# KiCad board bumwings_v001.kicad_pcb
title: BumWings_001; date: 2022-10-12; rev: v0.5; company: tubby.twins a.k.a. mschnoor
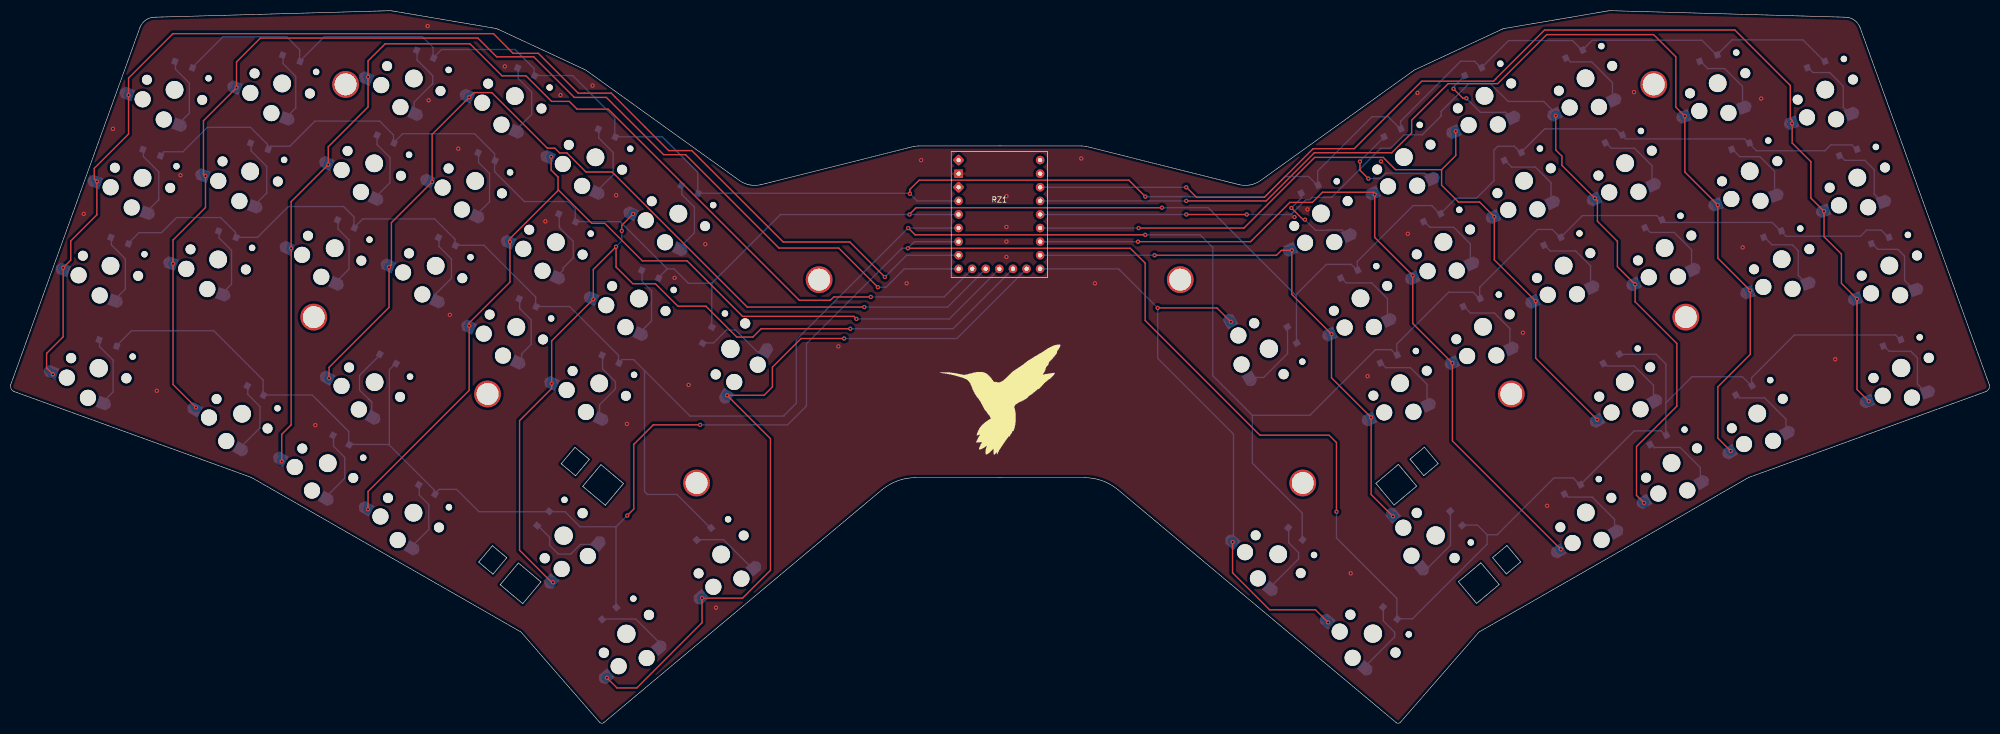
[diagram p0: board, top side]
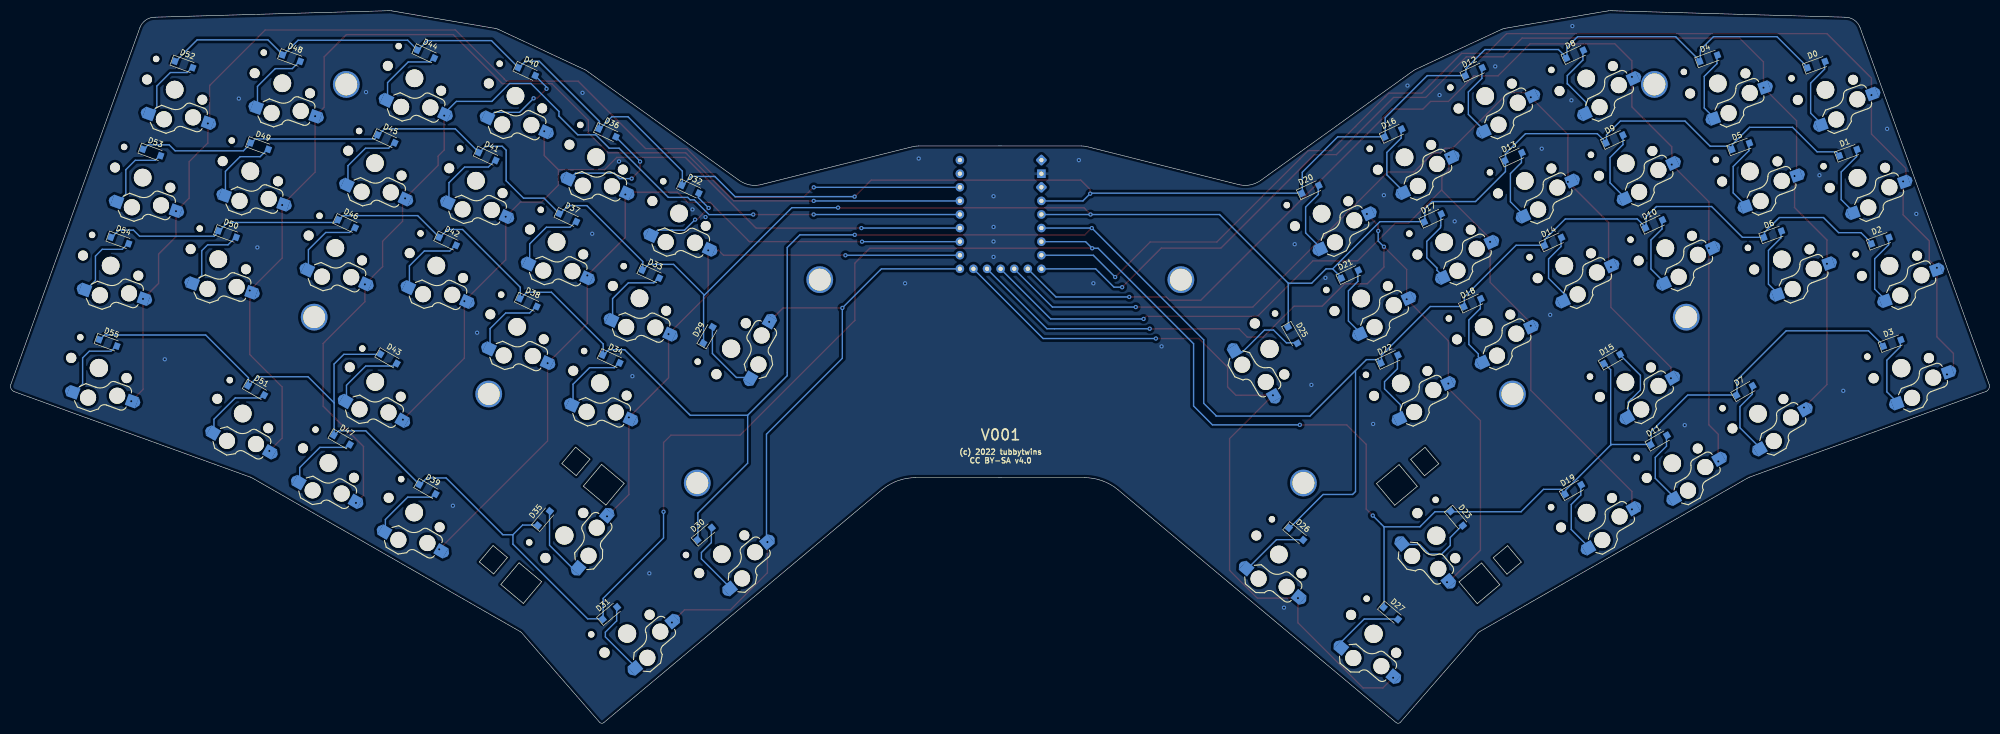
[diagram p1: board, bottom side, seen from below]

Outline 369.82 x 133.19 mm; copper layers: Top, Bottom. Coordinates in mm from the lower left corner of the outline.
Outline path: 0.61,62.02 arc(0.08,62.54) 0,63.27 24.13,129.97 arc(25.23,131.44) 26.99,131.98 70.81,133.19 arc(71,133.19) 71.18,133.17 90.57,129.89 arc(90.82,129.83) 91.07,129.74 107.3,122.18 arc(107.42,122.13) 107.53,122.06 136.25,101.42 arc(138.13,100.63) 140.17,100.66 168.37,107.72 arc(169.04,107.86) 169.72,107.92 200.1,107.92 arc(200.78,107.86) 201.45,107.72 229.65,100.66 arc(231.69,100.63) 233.57,101.42 262.29,122.06 arc(262.4,122.13) 262.52,122.18 278.75,129.74 arc(278.99,129.83) 279.25,129.89 298.64,133.17 arc(298.82,133.19) 299.01,133.19 342.83,131.98 arc(344.58,131.44) 345.69,129.97 369.82,63.27 arc(369.74,62.53) 369.21,62.02 325.04,46.02 arc(324.79,45.92) 324.55,45.79 274.61,17.16 arc(274.47,17.07) 274.35,16.96 259.75,0.19 arc(259.36,0) 258.95,0.14 206.94,43.68 arc(203.99,45.34) 200.66,45.92 169.16,45.92 arc(165.83,45.34) 162.88,43.68 110.87,0.14 arc(110.46,0) 110.07,0.19 95.47,16.96 arc(95.35,17.07) 95.21,17.16 45.27,45.79 arc(45.03,45.92) 44.78,46.02 0.61,62.02

## Placement (name value [footprint] x y rotation side)
D0  D  [Diode_D_SOD-123]  32.34 123.1 160 bottom
D1  D  [Diode_D_SOD-123]  26.35 106.66 160 bottom
D2  D  [Diode_D_SOD-123]  20.37 90.21 160 bottom
D3  D  [Diode_D_SOD-123]  18.16 71.07 160 bottom
D4  D  [Diode_D_SOD-123]  52.46 124.29 160 bottom
D5  D  [Diode_D_SOD-123]  46.47 107.85 160 bottom
D6  D  [Diode_D_SOD-123]  40.49 91.4 160 bottom
D7  D  [Diode_D_SOD-123]  45.74 62.19 150 bottom
D8  D  [Diode_D_SOD-123]  77.46 125.05 155 bottom
D9  D  [Diode_D_SOD-123]  70.06 109.19 155 bottom
D10  D  [Diode_D_SOD-123]  62.67 93.33 155 bottom
D11  D  [Diode_D_SOD-123]  61.76 52.94 150 bottom
D12  D  [Diode_D_SOD-123]  96.34 121.77 155 bottom
D13  D  [Diode_D_SOD-123]  88.94 105.91 155 bottom
D14  D  [Diode_D_SOD-123]  81.55 90.05 155 bottom
D15  D  [Diode_D_SOD-123]  70.51 68.09 150 bottom
D16  D  [Diode_D_SOD-123]  111.41 110.32 155 bottom
D17  D  [Diode_D_SOD-123]  104.02 94.46 155 bottom
D18  D  [Diode_D_SOD-123]  96.62 78.6 155 bottom
D19  D  [Diode_D_SOD-123]  77.79 43.69 150 bottom
D20  D  [Diode_D_SOD-123]  126.91 99.79 155 bottom
D21  D  [Diode_D_SOD-123]  119.52 83.92 155 bottom
D22  D  [Diode_D_SOD-123]  112.12 68.06 155 bottom
D23  D  [Diode_D_SOD-123]  99.53 38.28 230 bottom
D25  D  [Diode_D_SOD-123]  130.21 72.54 240 bottom
D26  D  [Diode_D_SOD-123]  129.57 35.39 220 bottom
D27  D  [Diode_D_SOD-123]  111.87 20.55 220 bottom
D29  D  [Diode_D_SOD-123]  239.49 72.58 120 bottom
D30  D  [Diode_D_SOD-123]  240.12 35.43 140 bottom
D31  D  [Diode_D_SOD-123]  257.83 20.59 140 bottom
D32  D  [Diode_D_SOD-123]  242.78 99.82 205 bottom
D33  D  [Diode_D_SOD-123]  250.18 83.96 205 bottom
D34  D  [Diode_D_SOD-123]  257.57 68.1 205 bottom
D35  D  [Diode_D_SOD-123]  270.17 38.32 130 bottom
D36  D  [Diode_D_SOD-123]  258.28 110.36 205 bottom
D37  D  [Diode_D_SOD-123]  265.68 94.5 205 bottom
D38  D  [Diode_D_SOD-123]  273.07 78.64 205 bottom
D39  D  [Diode_D_SOD-123]  291.91 43.73 210 bottom
D40  D  [Diode_D_SOD-123]  273.36 121.81 205 bottom
D41  D  [Diode_D_SOD-123]  280.75 105.95 205 bottom
D42  D  [Diode_D_SOD-123]  288.15 90.08 205 bottom
D43  D  [Diode_D_SOD-123]  299.18 68.13 210 bottom
D44  D  [Diode_D_SOD-123]  292.24 125.09 205 bottom
D45  D  [Diode_D_SOD-123]  299.63 109.23 205 bottom
D46  D  [Diode_D_SOD-123]  307.03 93.37 205 bottom
D47  D  [Diode_D_SOD-123]  307.93 52.98 210 bottom
D48  D  [Diode_D_SOD-123]  317.34 124.33 200 bottom
D49  D  [Diode_D_SOD-123]  323.32 107.89 200 bottom
D50  D  [Diode_D_SOD-123]  329.31 91.44 200 bottom
D51  D  [Diode_D_SOD-123]  323.95 62.23 210 bottom
D52  D  [Diode_D_SOD-123]  337.46 123.14 200 bottom
D53  D  [Diode_D_SOD-123]  343.44 106.7 200 bottom
D54  D  [Diode_D_SOD-123]  349.43 90.25 200 bottom
D55  D  [Diode_D_SOD-123]  351.63 71.11 200 bottom
NOREF  -  [LEGO_HOLE]  280.47 61.55 0 top
NOREF#2  -  [LEGO_HOLE]  307.1 119.42 0 top
NOREF#3  -  [LEGO_HOLE]  151.1 82.92 0 top
NOREF#4  -  [LEGO_HOLE]  241.5 44.92 0 top
NOREF#5  -  [LEGO_HOLE]  313.1 75.92 0 top
NOREF#6  -  [LEGO_HOLE]  89.13 61.55 0 top
NOREF#7  -  [LEGO_HOLE]  128.2 44.92 0 top
NOREF#8  -  [LEGO_HOLE]  62.6 119.42 0 top
NOREF#9  -  [LEGO_HOLE]  218.6 82.92 0 top
NOREF#10  -  [LEGO_HOLE]  56.65 75.92 0 top
REF**  -  [OSHW-Symbol_6.7x6mm_mask]  184.8 60.82 0 top
RZ1  -  [RP2040-Zero]  175.79 83.36 0 top
SW0  SW_PUSH  [Kailh_PG1350_1u_hotswap]  30.63 118.4 340 top
SW1  SW_PUSH  [Kailh_PG1350_1u_hotswap]  24.64 101.96 340 top
SW2  SW_PUSH  [Kailh_PG1350_1u_hotswap]  18.66 85.51 340 top
SW3  SW_PUSH  [Kailh_PG1350_1.5u_hotswap]  16.45 66.38 340 top
SW4  SW_PUSH  [Kailh_PG1350_1u_hotswap]  50.75 119.59 340 top
SW5  SW_PUSH  [Kailh_PG1350_1u_hotswap]  44.76 103.15 340 top
SW6  SW_PUSH  [Kailh_PG1350_1u_hotswap]  38.78 86.7 340 top
SW7  SW_PUSH  [Kailh_PG1350_1u_hotswap]  43.24 57.86 330 top
SW8  SW_PUSH  [Kailh_PG1350_1u_hotswap]  75.34 120.52 335 top
SW9  SW_PUSH  [Kailh_PG1350_1u_hotswap]  67.95 104.66 335 top
SW10  SW_PUSH  [Kailh_PG1350_1u_hotswap]  60.55 88.8 335 top
SW11  SW_PUSH  [Kailh_PG1350_1u_hotswap]  59.26 48.61 330 top
SW12  SW_PUSH  [Kailh_PG1350_1u_hotswap]  94.22 117.23 335 top
SW13  SW_PUSH  [Kailh_PG1350_1u_hotswap]  86.83 101.37 335 top
SW14  SW_PUSH  [Kailh_PG1350_1u_hotswap]  79.43 85.51 335 top
SW15  SW_PUSH  [Kailh_PG1350_1u_hotswap]  68.01 63.76 330 top
SW16  SW_PUSH  [Kailh_PG1350_1u_hotswap]  109.3 105.79 335 top
SW17  SW_PUSH  [Kailh_PG1350_1u_hotswap]  101.9 89.93 335 top
SW18  SW_PUSH  [Kailh_PG1350_1u_hotswap]  94.51 74.07 335 top
SW19  SW_PUSH  [Kailh_PG1350_1u_hotswap]  75.29 39.36 330 top
SW20  SW_PUSH  [Kailh_PG1350_1u_hotswap]  124.8 95.25 335 top
SW21  SW_PUSH  [Kailh_PG1350_1u_hotswap]  117.4 79.39 335 top
SW22  SW_PUSH  [Kailh_PG1350_1u_hotswap]  110.01 63.53 335 top
SW23  SW_PUSH  [Kailh_PG1350_2u_stab_hotswap]  103.36 35.07 50 top
SW25  SW_PUSH  [Kailh_PG1350_1.5u_hotswap]  134.53 69.97 60 top
SW26  SW_PUSH  [Kailh_PG1350_1u_hotswap]  132.79 31.56 40 top
SW27  SW_PUSH  [Kailh_PG1350_1.5u_hotswap]  115.08 16.72 40 top
SW29  SW_PUSH  [Kailh_PG1350_1.5u_hotswap]  235.17 70.01 300 top
SW30  SW_PUSH  [Kailh_PG1350_1u_hotswap]  236.91 31.6 320 top
SW31  SW_PUSH  [Kailh_PG1350_1.5u_hotswap]  254.61 16.76 320 top
SW32  SW_PUSH  [Kailh_PG1350_1u_hotswap]  244.9 95.29 25 top
SW33  SW_PUSH  [Kailh_PG1350_1u_hotswap]  252.29 79.43 25 top
SW34  SW_PUSH  [Kailh_PG1350_1u_hotswap]  259.69 63.57 25 top
SW35  SW_PUSH  [Kailh_PG1350_2u_stab_hotswap]  266.34 35.11 310 top
SW36  SW_PUSH  [Kailh_PG1350_1u_hotswap]  260.39 105.83 25 top
SW37  SW_PUSH  [Kailh_PG1350_1u_hotswap]  267.79 89.97 25 top
SW38  SW_PUSH  [Kailh_PG1350_1u_hotswap]  275.19 74.11 25 top
SW39  SW_PUSH  [Kailh_PG1350_1u_hotswap]  294.41 39.4 30 top
SW40  SW_PUSH  [Kailh_PG1350_1u_hotswap]  275.47 117.27 25 top
SW41  SW_PUSH  [Kailh_PG1350_1u_hotswap]  282.87 101.41 25 top
SW42  SW_PUSH  [Kailh_PG1350_1u_hotswap]  290.26 85.55 25 top
SW43  SW_PUSH  [Kailh_PG1350_1u_hotswap]  301.68 63.8 30 top
SW44  SW_PUSH  [Kailh_PG1350_1u_hotswap]  294.35 120.56 25 top
SW45  SW_PUSH  [Kailh_PG1350_1u_hotswap]  301.75 104.7 25 top
SW46  SW_PUSH  [Kailh_PG1350_1u_hotswap]  309.14 88.84 25 top
SW47  SW_PUSH  [Kailh_PG1350_1u_hotswap]  310.43 48.65 30 top
SW48  SW_PUSH  [Kailh_PG1350_1u_hotswap]  319.05 119.63 20 top
SW49  SW_PUSH  [Kailh_PG1350_1u_hotswap]  325.03 103.19 20 top
SW50  SW_PUSH  [Kailh_PG1350_1u_hotswap]  331.02 86.74 20 top
SW51  SW_PUSH  [Kailh_PG1350_1u_hotswap]  326.45 57.9 30 top
SW52  SW_PUSH  [Kailh_PG1350_1u_hotswap]  339.17 118.44 20 top
SW53  SW_PUSH  [Kailh_PG1350_1u_hotswap]  345.15 102 20 top
SW54  SW_PUSH  [Kailh_PG1350_1u_hotswap]  351.14 85.55 20 top
SW55  SW_PUSH  [Kailh_PG1350_1.5u_hotswap]  353.34 66.41 20 top

## Footprints (pads in the part's own frame, mm; a bottom-side part is the same pattern mirrored in y, then rotated)
Diode_D_SOD-123
  rect 1.1x1.2 smd: 1(-1.75,0) 2(1.75,0)
Kailh_PG1350_1.5u_hotswap
  round 1.9 hole 1.9 unplated: (-5.5,0) (5.5,0)
  round 3 hole 3 unplated: (-5,-3.7) (0,-5.9)
  round 3.4 hole 3.4 unplated: (0,0)
  round 1.2 hole 1.2 unplated: (5.22,4.2)
  trapezoid 0.6x1.4 smd far side: 1(-9.2,-3.7) 2(4.2,-5.9)
  rect 2x2.2 smd far side: 1(-7.9,-3.7) 2(2.9,-5.9)
Kailh_PG1350_1u_hotswap
  round 1.85 hole 1.85 unplated: (-5.5,0) (5.5,0)
  round 3 hole 3 unplated: (-5,-3.7) (0,-5.9)
  round 3.3 hole 3.3 unplated: (0,0)
  round 1.2 hole 1.2 unplated: (5.22,4.2)
  trapezoid 0.6x1.4 smd far side: 1(-9.2,-3.7) 2(4.2,-5.9)
  rect 2x2.2 smd far side: 1(-7.9,-3.7) 2(2.9,-5.9)
Kailh_PG1350_2u_stab_hotswap
  round 1.9 hole 1.9 unplated: (-5.5,0) (5.5,0)
  round 3 hole 3 unplated: (-5,-3.7) (0,-5.9)
  round 3.4 hole 3.4 unplated: (0,0)
  round 1.2 hole 1.2 unplated: (5.22,4.2)
  trapezoid 0.6x1.4 smd far side: 1(-9.2,-3.7) 2(4.2,-5.9)
  rect 2x2.2 smd far side: 1(-7.9,-3.7) 2(2.9,-5.9)
LEGO_HOLE
  round 5 hole 4.1: (0,0)
RP2040-Zero
  round 1.6 hole 0.8: 0(16.62,21.91) 1(16.62,19.37) 2(16.62,16.83) 3(16.62,14.29) 4(16.62,11.75) 5(16.62,9.21) 6(16.62,6.67) 7(16.62,4.13) 8(16.62,1.59) 9(14.08,1.59) 10(11.54,1.59) 11(9,1.59) 12(6.46,1.59) 13(3.92,1.59) 14(1.38,1.59) 15(1.38,4.13) 26(1.38,6.67) 27(1.38,9.21) 28(1.38,11.75) 29(1.38,14.29)
  rect 1.6x1.6 hole 0.8: G1(1.38,19.37)
  rrect 1.6x1.6 hole 0.8 rot 45: v3(1.38,16.83) v5(1.38,21.91)

## Nets
GND: RZ1.G1
col_Li1: RZ1.11 SW16.1 SW17.1 SW18.1 SW19.1
col_Li2: RZ1.10 SW20.1 SW21.1 SW22.1 SW23.1
col_Lm: RZ1.12 SW12.1 SW13.1 SW14.1 SW15.1
col_Lp1: RZ1.14 SW4.1 SW5.1 SW6.1 SW7.1
col_Lp2: RZ1.15 SW0.1 SW1.1 SW2.1 SW3.1
col_Lr: RZ1.13 SW8.1 SW9.1 SW10.1 SW11.1
col_Lt: RZ1.9 SW25.1 SW26.1 SW27.1
col_Ri1: RZ1.6 SW36.1 SW37.1 SW38.1 SW39.1
col_Ri2: RZ1.7 SW32.1 SW33.1 SW34.1 SW35.1
col_Rm: RZ1.5 SW40.1 SW41.1 SW42.1 SW43.1
col_Rp1: RZ1.3 SW48.1 SW49.1 SW50.1 SW51.1
col_Rp2: RZ1.2 SW52.1 SW53.1 SW54.1 SW55.1
col_Rr: RZ1.4 SW44.1 SW45.1 SW46.1 SW47.1
col_Rt: RZ1.8 SW29.1 SW30.1 SW31.1
row_dn: D2.1 D6.1 D10.1 D14.1 D18.1 D22.1 D26.1 D30.1 D34.1 D38.1 D42.1 D46.1 D50.1 D54.1 RZ1.27
row_home: D1.1 D5.1 D9.1 D13.1 D17.1 D21.1 D25.1 D29.1 D33.1 D37.1 D41.1 D45.1 D49.1 D53.1 RZ1.28
row_mod: D3.1 D7.1 D11.1 D15.1 D19.1 D23.1 D27.1 D31.1 D35.1 D39.1 D43.1 D47.1 D51.1 D55.1 RZ1.26
row_up: D0.1 D4.1 D8.1 D12.1 D16.1 D20.1 D32.1 D36.1 D40.1 D44.1 D48.1 D52.1 RZ1.29
Net-(D0-Pad2): D0.2 SW0.2
Net-(D1-Pad2): D1.2 SW1.2
Net-(D2-Pad2): D2.2 SW2.2
Net-(D3-Pad2): D3.2 SW3.2
Net-(D4-Pad2): D4.2 SW4.2
Net-(D5-Pad2): D5.2 SW5.2
Net-(D6-Pad2): D6.2 SW6.2
Net-(D7-Pad2): D7.2 SW7.2
Net-(D8-Pad2): D8.2 SW8.2
Net-(D9-Pad2): D9.2 SW9.2
Net-(D10-Pad2): D10.2 SW10.2
Net-(D11-Pad2): D11.2 SW11.2
Net-(D12-Pad2): D12.2 SW12.2
Net-(D13-Pad2): D13.2 SW13.2
Net-(D14-Pad2): D14.2 SW14.2
Net-(D15-Pad2): D15.2 SW15.2
Net-(D16-Pad2): D16.2 SW16.2
Net-(D17-Pad2): D17.2 SW17.2
Net-(D18-Pad2): D18.2 SW18.2
Net-(D19-Pad2): D19.2 SW19.2
Net-(D20-Pad2): D20.2 SW20.2
Net-(D21-Pad2): D21.2 SW21.2
Net-(D22-Pad2): D22.2 SW22.2
Net-(D23-Pad2): D23.2 SW23.2
Net-(D25-Pad2): D25.2 SW25.2
Net-(D26-Pad2): D26.2 SW26.2
Net-(D27-Pad2): D27.2 SW27.2
Net-(D29-Pad2): D29.2 SW29.2
Net-(D30-Pad2): D30.2 SW30.2
Net-(D31-Pad2): D31.2 SW31.2
Net-(D32-Pad2): D32.2 SW32.2
Net-(D33-Pad2): D33.2 SW33.2
Net-(D34-Pad2): D34.2 SW34.2
Net-(D35-Pad2): D35.2 SW35.2
Net-(D36-Pad2): D36.2 SW36.2
Net-(D37-Pad2): D37.2 SW37.2
Net-(D38-Pad2): D38.2 SW38.2
Net-(D39-Pad2): D39.2 SW39.2
Net-(D40-Pad2): D40.2 SW40.2
Net-(D41-Pad2): D41.2 SW41.2
Net-(D42-Pad2): D42.2 SW42.2
Net-(D43-Pad2): D43.2 SW43.2
Net-(D44-Pad2): D44.2 SW44.2
Net-(D45-Pad2): D45.2 SW45.2
Net-(D46-Pad2): D46.2 SW46.2
Net-(D47-Pad2): D47.2 SW47.2
Net-(D48-Pad2): D48.2 SW48.2
Net-(D49-Pad2): D49.2 SW49.2
Net-(D50-Pad2): D50.2 SW50.2
Net-(D51-Pad2): D51.2 SW51.2
Net-(D52-Pad2): D52.2 SW52.2
Net-(D53-Pad2): D53.2 SW53.2
Net-(D54-Pad2): D54.2 SW54.2
Net-(SW55-Pad2): D55.2 SW55.2

Pads without a net: RZ1 0 1 v3 v5

## Via types
v1: diameter 0.8, hole 0.4, Top to Bottom, 128 vias

## Routing (per net, layer and track width the routed paths; a pad name or vN(x,y) marks a point on that pad's centre or on a via; arc(x,y) is an arc through that point)
GND:
  vias: v1(13.65,95.21) v1(19.11,111.11) v1(27.3,62.15) v1(31.75,102.44) v1(56.93,55.73) v1(77.93,130.32) v1(78.11,116.45) v1(82.08,76.34) v1(83.65,107.4) v1(92.35,122.78) v1(99.93,93.82) v1(102.76,117.42) v1(108.75,119.2) v1(113.16,98.71) v1(115.18,55.95) v1(124.09,83.26) v1(126.71,63.25) v1(129.83,89.55) v1(131.83,21.62) v1(154.71,70.45) v1(167.46,82.24) v1(170.17,105.26) v1(186.12,98.52) v1(186.12,92.77) v1(186.12,90.05) v1(186.12,87.17) v1(200.1,105.56) v1(202.66,82.24) v1(239.95,94.62) v1(242.39,96.05) v1(250.46,28.03) v1(253.62,64.88) v1(256.12,105.02) v1(261.14,91.5) v1(262.94,117.84) v1(282.65,73) v1(287.17,40.66) v1(303.41,117.98) v1(323.72,88.95) v1(327.18,116.77) v1(341.02,68.04)
col_Li1: length 176.7
  Top w0.25: v1(158.08,75.58) 157.6,76.06 136.79,76.06 126.41,86.44 118.06,86.44 111.05,93.45 108.6,93.45 102.38,99.67 102.31,99.59 ; 85.57,74.71 93.31,82.45 v1(93.31,89.99) ; v1(66.8,39.99) 66.8,43.33 85.7,62.23 v1(85.7,74.31) ; v1(101.02,105.89) 101.02,103.4 102.31,102.11 102.31,99.59 ; 102.31,99.59 93.19,90.47
  Bottom w0.25: v1(158.08,75.58) 175.43,75.58 184.79,84.94
col_Li2: length 169
  Top w0.25: v1(114.22,92.03) 114.22,93.08 v1(116.34,95.2) ; v1(156.93,73.75) 140.27,73.75 138.71,72.19 135.72,72.19 129.95,77.96 124.7,77.96 120.5,82.16 116.27,82.16 113.15,85.28 v1(113.15,89.07) 108.9,84.82 v1(108.9,79.26) 101.11,71.47 v1(101.11,63.5) 101.11,62.58 95.11,56.58 95.11,32.35 101.09,26.37 v1(101.36,26.37)
  Bottom w0.25: v1(156.93,73.75) 176.14,73.75 187.33,84.94 ; v1(113.15,89.07) 114.22,90.14 v1(114.22,92.03)
col_Lm: length 180
  Top w0.25: v1(59.51,64.5) 59.51,66.53 70.72,77.74 v1(70.72,85.26) 71.16,85.7 71.16,85.83 ; 71.16,85.83 71.16,85.62 ; 71.16,85.83 71.16,93.58 v1(78.78,101.2) 78.78,110.09 v1(85.7,117.01) 86.57,117.88 89.92,117.88 100.31,107.49 101.72,107.49 102.6,106.6 103.96,106.6 107.53,103.04 112.42,103.04 137.66,77.8 v1(159.54,77.8)
  Bottom w0.25: v1(159.54,77.8) 175.11,77.8 182.25,84.94
col_Lp1: length 229.1
  Top w0.25: v1(162.08,81.51) 154.76,88.83 143.6,88.83 126.14,106.29 122.03,106.29 111.33,116.99 105.34,116.99 97.75,124.58 90.82,124.58 87.32,128.08 46.67,128.08 42.21,123.62 v1(42.21,118.81) 36.03,112.63 36.03,102.67 v1(36.41,102.29) 36.41,96.41 30.35,90.35 v1(30.35,85.89) 30.35,63.32 v1(34.64,59.03)
  Bottom w0.25: 177.17,84.94 167.03,84.94 163.6,81.51 v1(162.08,81.51)
col_Lp2: length 241.7
  Top w0.25: v1(7.91,65.21) 6.71,66.41 6.71,69.14 9.8,72.23 v1(9.8,85.14) 11.22,86.56 11.22,90.15 16.11,95.04 v1(16.11,101.28) 15.62,101.77 15.62,103.73 22.03,110.14 v1(22.03,117.42) 22.03,120.6 30.33,128.9 90.23,128.9 93.91,125.22 98.63,125.22 106.07,117.78 112.25,117.78 122.98,107.05 127.3,107.05 144.39,89.96 156.84,89.96 v1(163.39,83.41)
  Bottom w0.25: 177.17,87.48 167.46,87.48 v1(163.39,83.41)
col_Lr: length 218.1
  Top w0.25: v1(160.76,79.69) 153.83,79.69 153.21,79.07 147.39,79.07 111.67,114.79 105.87,114.79 104.42,116.24 101.09,116.24 96.3,121.03 91.82,121.03 85.84,127.01 69.99,127.01 66.8,123.82 v1(66.8,120.82) 66.8,115.2 59.36,107.76 v1(59.36,104.43) 52.42,97.49 v1(52.42,88.79) 52.42,55.77 50.66,54.01 v1(50.66,48.95)
  Bottom w0.25: v1(160.76,79.69) 174.46,79.69 179.71,84.94
col_Lt: length 147.2
  Top w0.25: v1(155.78,71.92) 147.73,71.92 142.37,66.56 142.37,62.87 140.81,61.31 v1(133.9,61.31) 142.01,53.2 142.01,28.6 136.81,23.4 v1(129.22,23.4) 129.22,18.8 117.03,6.61 113.33,6.61 v1(111.43,8.51)
  Bottom w0.25: v1(155.78,71.92) 176.85,71.92 189.87,84.94
col_Ri1: length 147.1
  Top w0.25: 254.87,99.26 245.19,99.26 243.3,97.37 239.09,97.37 231.74,90.02 v1(210.7,90.02) ; v1(254.95,98.85) 254.95,90.81 v1(262.05,83.71) 262.05,74.73 v1(269.47,67.31) 269.47,52.78 v1(289.73,32.52)
  Bottom w0.25: 192.41,90.02 210.61,90.02 ; 210.61,90.05 210.7,89.96
col_Ri2: length 105
  Top w0.25: v1(213.8,87.48) 236.59,87.48 237.51,88.4 v1(239.45,88.4) 239.45,80.16 v1(246.87,72.74) 246.87,64.58 v1(254.28,57.17) 254.28,42.76 v1(258.36,38.68)
  Bottom w0.25: 192.41,87.48 v1(213.8,87.48)
col_Rm: length 150.8
  Top w0.25: 267.45,103.48 267.45,100.57 270.59,97.43 274.55,97.43 v1(277.3,94.68) 277.3,86.63 v1(285.03,78.9) 285.03,68.25 v1(296.52,56.76) ; 267.45,103.48 270.09,106.12 v1(270.09,110.66) ; 267.45,103.48 258.84,103.48 256.55,105.77 243.72,105.77 230.51,92.56 v1(210.82,92.56)
  Bottom w0.25: 210.76,92.56 192.41,92.56 ; 210.76,92.59 210.82,92.53
col_Rp1: length 217.2
  Top w0.25: v1(312.92,113.48) 312.92,103.03 v1(319.08,96.87) 319.08,86.95 v1(325.14,80.89) 325.14,68.94 319.09,62.89 319.09,53.3 v1(321.48,50.91) ; 312.57,113.82 311.23,115.16 311.23,124.57 307.08,128.72 287.09,128.72 277.93,119.56 268.69,119.56 261.85,112.72 261.85,110.35 258.14,106.64 243.66,106.64 234.66,97.64 v1(219.73,97.64)
  Bottom w0.25: 192.41,97.64 v1(219.73,97.64)
col_Rp2: length 223.4
  Top w0.25: v1(347.29,60.2) 345.09,62.4 v1(345.09,79.32) 342.18,82.23 342.18,87.7 338.93,90.95 v1(338.93,95.72) 336.47,98.18 336.47,104.97 332.97,108.47 v1(332.97,112.12) 332.97,112.68 332.63,113.02 332.63,119.22 322.26,129.59 286.7,129.59 277.56,120.45 277.56,120.41 277.16,120.01 263.73,120.01 251.13,107.41 243.44,107.41 234.35,98.32 221.63,98.32 219.77,100.18 v1(219.72,100.18)
  Bottom w0.25: 192.41,100.18 v1(219.72,100.18)
col_Rr: length 194.9
  Top w0.25: v1(305.29,41.19) 303.88,42.6 303.88,51.73 311.42,59.27 311.42,70.99 303.62,78.79 v1(303.62,82.04) 300.31,85.35 300.31,90.09 296.57,93.83 296.57,97.65 v1(296.1,98.12) 289.94,104.28 289.94,106 288.79,107.15 v1(288.79,113.58) ; 231.03,95.08 231.01,95.1 v1(219.74,95.1)
  Bottom w0.25: 231.03,95.08 239.3,95.08 242.05,97.83 242.8,97.83 243.27,98.3 246.9,98.3 256.09,107.49 257.95,107.49 260.46,110 263.84,110 267.35,113.51 267.35,114.36 272.58,119.59 276.54,119.59 279.89,116.24 286.52,116.24 288.84,113.91 ; 192.41,95.1 v1(219.74,95.1)
  vias: v1(231.03,95.1)
col_Rt: length 116.9
  Top w0.25: v1(214.38,77.64) 225.45,77.64 v1(228.06,75.03) ; v1(246.24,18.84) 243.86,21.22 235.29,21.22 228.38,28.13 v1(228.38,33.88)
  Bottom w0.25: 228.55,33.78 228.55,54.04 214.38,68.22 v1(214.38,77.64) 207.08,84.94 192.41,84.94
row_dn: length 505.4
  Top w0.25: 167.75,92.59 169.03,91.3 v1(212.06,91.3)
  Bottom w0.25: v1(212.06,91.3) 222.31,91.3 224.68,88.93 224.68,64.97 232.08,57.57 ; 118.46,65.94 126.97,57.43 144.51,57.43 144.51,57.49 146.84,59.82 146.84,71.68 167.75,92.59 ; 118.46,65.94 118.46,43.32 119.01,42.77 124.51,42.77 130.84,36.45 ; 118.46,65.94 116.42,67.99 114.23,67.99 113.62,67.37 113.62,68.76 104.47,77.9 98.12,77.9 98.12,79.68 88.45,89.35 83.04,89.35 83.04,90.48 79.25,94.27 65.8,94.27 64.16,92.63 64.16,94.65 62.22,96.59 51.9,96.59 46.14,90.84 42.04,90.84 42.04,91.74 39.25,94.53 30.99,94.53 28.17,91.71 23.98,91.71 21.92,89.65 ; 232.08,57.57 232.08,48.6 241.39,39.29 241.39,34.37 ; 232.08,57.57 242.81,57.57 255.07,69.83 258.04,69.83 259.07,68.8 259.07,70.89 268.75,80.57 273.34,80.57 274.57,79.34 274.57,81.5 285.37,92.3 288.13,92.3 289.64,90.78 293.76,94.9 307.69,94.9 308.98,93.62 329.25,93.62 331.82,91.05 345.73,91.05 346.87,92.18 349.61,92.18 350.98,90.82 ; 177.17,92.56 v1(167.75,92.56)
row_home: length 406.4
  Top w0.25: 167.99,95.13 167.99,95.13 169.22,96.36 215.3,96.36
  Bottom w0.25: 177.17,95.1 v1(167.99,95.1) 143.88,95.1 131.03,82.25 ; 122.72,84.94 123.97,84.94 126.65,82.25 131.03,82.25 ; 122.72,84.94 113.9,93.76 105.51,93.76 105.51,96.12 104.11,97.52 96.03,97.52 90.44,103.11 90.44,106.47 86.7,110.21 73.27,110.21 71.56,108.5 71.56,109.96 68.96,112.56 56.87,112.56 52.17,107.86 48.6,107.86 48.02,107.28 48.02,108.19 44.82,111.39 36.76,111.39 32.19,106.82 28.63,106.82 27.9,106.09 ; 122.72,84.94 121.01,83.23 ; v1(215.18,96.38) 223.81,96.38 240.16,80.03 ; 131.03,82.25 131.03,73.97 ; 240.16,80.03 240.31,79.88 240.31,71.15 ; 240.16,80.03 245.92,85.78 250.55,85.78 251.67,84.66 251.67,86.31 262.13,96.76 265.61,96.76 267.17,95.2 270.13,98.16 273.97,98.16 277.22,101.41 277.22,107.12 277.95,107.86 281.03,107.86 282.25,106.64 286.72,111.11 299.95,111.11 301.83,109.23 324.09,109.23 326.31,107.01 339.09,107.01 340.2,108.12 344.13,108.12 344.99,107.26
row_mod: length 531.3
  Top w0.25: v1(128.87,55.78) 120.1,55.78 116.46,52.14 116.46,40.05 v1(115.24,38.83) ; v1(247.8,39.54) 247.8,52.47 246.42,53.85 233.49,53.85 212.04,75.3 212.04,86.01 209.26,88.79 v1(167.68,88.79)
  Bottom w0.25: 309.36,59.89 309.36,53.8 308.5,54.66 303.45,54.66 293.34,44.55 292.03,45.86 288.44,45.86 277.82,35.25 275.95,35.25 ; 309.36,59.89 314.25,64.78 323.65,64.78 325.38,63.05 325.38,64.58 333.38,72.58 352.28,72.58 353.18,71.68 ; 309.36,59.89 309.38,59.91 309.38,67.14 307.56,68.96 300.61,68.96 ; 70.77,52 70.77,66.1 71.94,67.27 ; 70.77,52 70.66,52.11 63.19,52.11 63.19,54.54 56.36,61.36 47.17,61.36 47.17,64.16 37.97,73.36 22.56,73.36 19.71,70.51 ; 70.77,52 79.21,43.56 79.21,42.86 80.08,43.73 83.33,43.73 87.51,39.55 103.6,39.55 106.42,36.72 113.13,36.72 ; 113.13,36.72 v1(115.24,38.83) ; 113.13,36.72 113.13,21.61 ; 275.95,35.25 274.14,37.06 271.23,37.06 ; 275.95,35.25 275.95,33.5 261.99,19.53 259.09,19.53 259.09,23.35 247.8,34.64 v1(247.8,39.54) ; 177.17,90.02 168.91,90.02 v1(167.68,88.79) 166.57,88.79 148.73,70.95 148.73,59.31 145.2,55.78 v1(128.87,55.78)
row_up: length 369.2
  Top w0.25: v1(212.08,98.44) 208.99,101.53 169.81,101.53 168.05,99.77 v1(168.05,98.99)
  Bottom w0.25: 33.89,122.54 39.69,128.34 51.56,128.34 54.01,125.89 54.01,123.73 58.62,128.34 76.95,128.34 78.95,126.34 78.95,124.36 80.54,125.94 94.26,125.94 97.83,122.37 97.83,121.07 105.04,121.07 112.91,113.2 112.91,109.63 121.77,109.63 128.41,102.99 128.41,99.09 167.96,99.09 v1(168.05,98.99) 169.41,97.64 177.17,97.64 ; v1(212.08,98.44) 234.43,98.44 238.2,102.21 242.59,102.21 244.28,100.52 244.28,103.21 254.45,113.38 257.46,113.38 259.78,111.06 259.78,112.51 271.02,123.75 273.61,123.75 274.85,122.5 279.95,127.6 291.92,127.6 293.73,125.79 295.61,127.67 316.11,127.67 318.89,124.89 321.73,127.74 334.97,127.74 339.01,123.7
Net-(D0-Pad2): length 13.7
  Bottom w0.25: 31.24,111.9 33.4,114.06 33.4,119.65 30.79,122.26 30.79,123.67
Net-(D1-Pad2): length 14
  Bottom w0.25: 24.8,107.22 24.8,105.93 27.68,103.05 27.68,97.88 25.25,95.46
Net-(D2-Pad2): length 13.7
  Bottom w0.25: 19.27,79.01 21.43,81.17 21.43,86.82 18.82,89.43 18.82,90.78
Net-(D3-Pad2): length 13.7
  Bottom w0.25: 16.61,71.64 16.61,70.4 19.15,67.86 19.15,61.96 17.07,59.87
Net-(D4-Pad2): length 13.5
  Bottom w0.25: 50.91,124.86 50.91,123.29 53.28,120.92 53.28,115.01 51.36,113.09
Net-(D5-Pad2): length 14
  Bottom w0.25: 44.92,108.41 44.92,107.03 47.87,104.08 47.87,99.14 45.38,96.65
Net-(D6-Pad2): length 13.5
  Bottom w0.25: 39.39,80.2 41.28,82.09 41.28,88.39 38.94,90.73 38.94,91.97
Net-(D7-Pad2): length 14.2
  Bottom w0.25: 44.31,63.01 44.31,61.48 46.6,59.2 46.6,55.23 42.72,51.35
Net-(D8-Pad2): length 14.4
  Bottom w0.25: 75.39,113.99 75.39,116.09 78.82,119.52 78.88,119.52 78.88,121.05 75.96,123.97 75.96,125.75
Net-(D9-Pad2): length 14
  Bottom w0.25: D9.2 68.48,108.16 70.89,105.75 70.89,101.03 67.99,98.13
Net-(D10-Pad2): length 13.7
  Bottom w0.25: 60.6,82.27 63.24,84.91 63.24,90.33 61.17,92.4 61.17,94.03
Net-(D11-Pad2): length 14.1
  Bottom w0.25: 60.34,53.76 60.34,51.8 62.43,49.71 62.43,45.79 58.74,42.1
Net-(D12-Pad2): length 14.1
  Bottom w0.25: 94.27,110.7 97.37,113.8 97.37,118.01 94.84,120.54 94.84,122.46
Net-(D13-Pad2): length 13.7
  Bottom w0.25: 87.45,106.6 87.45,104.81 89.51,102.75 89.51,97.48 86.87,94.84
Net-(D14-Pad2): length 13.9
  Bottom w0.25: 79.48,78.98 79.48,80.29 82.38,83.19 82.38,86.78 80.05,89.11 80.05,90.74
Net-(D15-Pad2): length 15
  Bottom w0.25: 66.85,60.63 66.91,60.63 67.49,60.04 67.49,57.26 ; 66.85,60.63 65.21,62.27 65.21,65.04 69.09,68.92 ; 66.85,60.63 67.37,60.11
Net-(D16-Pad2): length 14.2
  Bottom w0.25: 109.34,99.26 112.61,102.52 112.61,106.7 109.92,109.39 109.92,111.02
Net-(D17-Pad2): length 14.2
  Bottom w0.25: 102.52,95.16 102.52,92.99 102.57,92.99 102.57,92.65 105.14,90.08 105.14,87 103.24,85.1 103.24,84.69 101.95,83.4
Net-(D18-Pad2): length 13.8
  Bottom w0.25: 94.55,67.54 95.51,68.5 95.51,69.05 97.28,70.82 97.28,75.39 95.18,77.49 95.13,77.49 95.13,79.3
Net-(D19-Pad2): length 13.8
  Bottom w0.25: 74.76,32.85 78.14,36.23 78.14,40.89 76.36,42.67 76.36,44.51
Net-(D20-Pad2): length 14
  Bottom w0.25: 124.84,88.72 127.79,91.67 127.79,96.49 125.42,98.86 125.42,100.48
Net-(D21-Pad2): length 13.5
  Bottom w0.25: 117.45,72.86 119.79,75.2 119.79,80.83 118.02,82.6 118.02,84.62
Net-(D22-Pad2): length 14
  Bottom w0.25: 110.62,68.76 110.62,66.26 113.04,63.85 113.04,62.51 110.05,59.52 110.05,57
Net-(D23-Pad2): length 15.1
  Bottom w0.25: 98.47,37.02 100.75,34.74 100.75,33.24 102.36,31.63 104.69,31.63 106.48,33.42 109.68,33.42
Net-(D25-Pad2): length 14.3
  Bottom w0.25: 141.04,69.45 139.52,69.45 135.47,73.5 133.77,73.5 131.38,71.11 129.38,71.11
Net-(D26-Pad2): length 12.7
  Bottom w0.25: 128.31,34.33 133.23,34.33 138.72,28.84
Net-(D27-Pad2): length 13.5
  Bottom w0.25: 110.6,19.49 116.84,19.49 121.02,15.31 121.02,14
Net-(D29-Pad2): length 14
  Bottom w0.25: 238.66,74.01 238.66,69.12 234.19,64.64 231.46,64.64
Net-(D30-Pad2): length 14.2
  Bottom w0.25: 235.26,25.28 240.72,30.74 240.72,31.91 238.86,33.77 238.86,36.49
Net-(D31-Pad2): length 14.4
  Bottom w0.25: 256.56,21.65 256.56,19.14 258.67,17.03 258.67,16.14 252.97,10.44
Net-(D32-Pad2): length 16.4
  Top w0.25: v1(241.91,94.14) 241.55,94.14 v1(239.37,96.32)
  Bottom w0.25: v1(241.91,94.14) 243.89,92.16 246.2,92.16 246.2,92.2 248.86,92.2 249.93,91.13 ; v1(239.37,96.32) 241.29,98.24 241.29,99.13
Net-(D33-Pad2): length 14.4
  Bottom w0.25: 257.32,75.27 257.32,79.38 254.38,82.32 249.63,82.32 248.68,83.27
Net-(D34-Pad2): length 14.3
  Bottom w0.25: 256.08,67.41 257.01,66.47 261.62,66.47 264.72,63.37 264.72,59.41
Net-(D35-Pad2): length 13.5
  Bottom w0.25: 269.11,39.59 269.11,33.28 265,29.17 263.62,29.17
Net-(D36-Pad2): length 23
  Top w0.25: v1(252.19,104.99) 252.19,103.42 252.17,103.4 v1(253.76,101.81)
  Bottom w0.25: 265.43,101.67 264.26,102.83 257.02,102.83 256,101.81 v1(253.76,101.81) ; v1(252.19,104.99) 252.19,105.07 256.79,109.66
Net-(D37-Pad2): length 14.2
  Bottom w0.25: 264.18,93.8 265.27,92.72 269.7,92.72 272.82,89.6 272.82,85.81
Net-(D38-Pad2): length 14.2
  Bottom w0.25: 280.22,69.95 280.22,73.77 277.3,76.69 272.83,76.69 271.58,77.94
Net-(D39-Pad2): length 13.7
  Bottom w0.25: 290.48,42.9 291.11,42.27 295.61,42.27 299.78,38.1 299.78,35.69
Net-(D40-Pad2): length 16.5
  Top w0.25: v1(272.08,116.82) 271.44,116.82 v1(269.67,118.59)
  Bottom w0.25: 271.86,121.11 269.67,118.91 v1(269.67,118.59) ; 280.5,113.11 279.41,114.2 274.7,114.2 v1(272.08,116.82)
Net-(D41-Pad2): length 14.2
  Bottom w0.25: 279.26,105.25 280.54,103.97 284.97,103.97 287.9,101.04 287.9,97.25
Net-(D42-Pad2): length 14.4
  Bottom w0.25: 286.65,89.39 287.76,88.28 292.51,88.28 295.29,85.5 295.29,81.39
Net-(D43-Pad2): length 14.1
  Bottom w0.25: 297.75,67.31 298.28,66.78 303.46,66.78 307.05,63.18 307.05,60.09
Net-(D44-Pad2): length 13.9
  Bottom w0.25: 299.38,116.4 299.38,119.75 295.51,123.62 291.52,123.62 290.74,124.4
Net-(D45-Pad2): length 14.1
  Bottom w0.25: 298.14,108.53 299.18,107.49 303.51,107.49 306.78,104.22 306.78,100.54
Net-(D46-Pad2): length 14.2
  Bottom w0.25: 305.53,92.67 306.47,91.74 310.94,91.74 314.17,88.51 314.17,84.68
Net-(D47-Pad2): length 14
  Bottom w0.25: 306.5,52.15 307.14,51.51 307.2,51.57 312.03,51.57 315.8,47.79 315.8,44.94
Net-(D48-Pad2): length 13.9
  Bottom w0.25: 323.7,115.05 323.7,119.04 320.37,122.37 317.18,122.37 315.79,123.77
Net-(D49-Pad2): length 14.2
  Bottom w0.25: 329.68,98.6 329.68,103.17 326.94,105.91 323.18,105.91 321.77,107.32
Net-(D50-Pad2): length 14.2
  Bottom w0.25: 327.76,90.88 329.19,89.44 333.01,89.44 334.11,88.34 334.11,83.71 335.67,82.16
Net-(D51-Pad2): length 13.8
  Bottom w0.25: 331.83,54.19 331.83,56.83 327.84,60.82 323.11,60.82 322.52,61.4
Net-(D52-Pad2): length 13.8
  Bottom w0.25: 343.82,113.86 342.51,115.16 342.51,119.1 339.98,121.63 336.85,121.63 335.91,122.58
Net-(D53-Pad2): length 14.2
  Bottom w0.25: 349.8,97.41 348.31,98.9 348.31,103.46 346.54,105.23 342.79,105.23 341.89,106.13
Net-(D54-Pad2): length 14.2
  Bottom w0.25: 355.79,80.97 353.98,82.77 353.98,87.33 352.72,88.59 348.97,88.59 347.88,89.69
Net-(SW55-Pad2): length 14.4
  Bottom w0.25: 357.99,61.83 356.38,63.44 356.38,68.29 355.12,69.55 351.08,69.55 350.08,70.55

## Copper pours and planes (outline as drawn; the poured copper is in the pictures)
GND on Top: 296.45,140.83 349.66,138.44 375.48,60.28 326.55,42.06 277.62,13.6 260.09,-6 199.88,42.23 167.95,42.06 151.64,29.22 110.25,-8.19 91.96,11 44.59,39.49 -7.28,59.28 18.5,135.13 58.38,141.13 93.76,137.83 139.94,109.05 184.61,116.24 228.09,109.05 246.98,124.94
GND on Bottom: 73.07,139.93 19.86,137.54 -5.96,59.38 42.97,41.16 91.9,12.7 109.43,-6.9 169.64,41.33 201.57,41.16 217.88,28.32 259.27,-9.09 277.56,10.1 324.93,38.59 376.8,58.38 351.02,134.23 311.14,140.23 275.76,136.93 229.58,108.15 184.91,115.34 141.43,108.15 122.54,124.04

## Text on the board
B.Silkscreen: (c) 2022 tubbytwins / CC BY-SA v4.0 | V001
